# KiCad board 'akohekohe.kicad_pcb
title: 'ahkohkohe; rev: 0.1; company: grassfedreeve
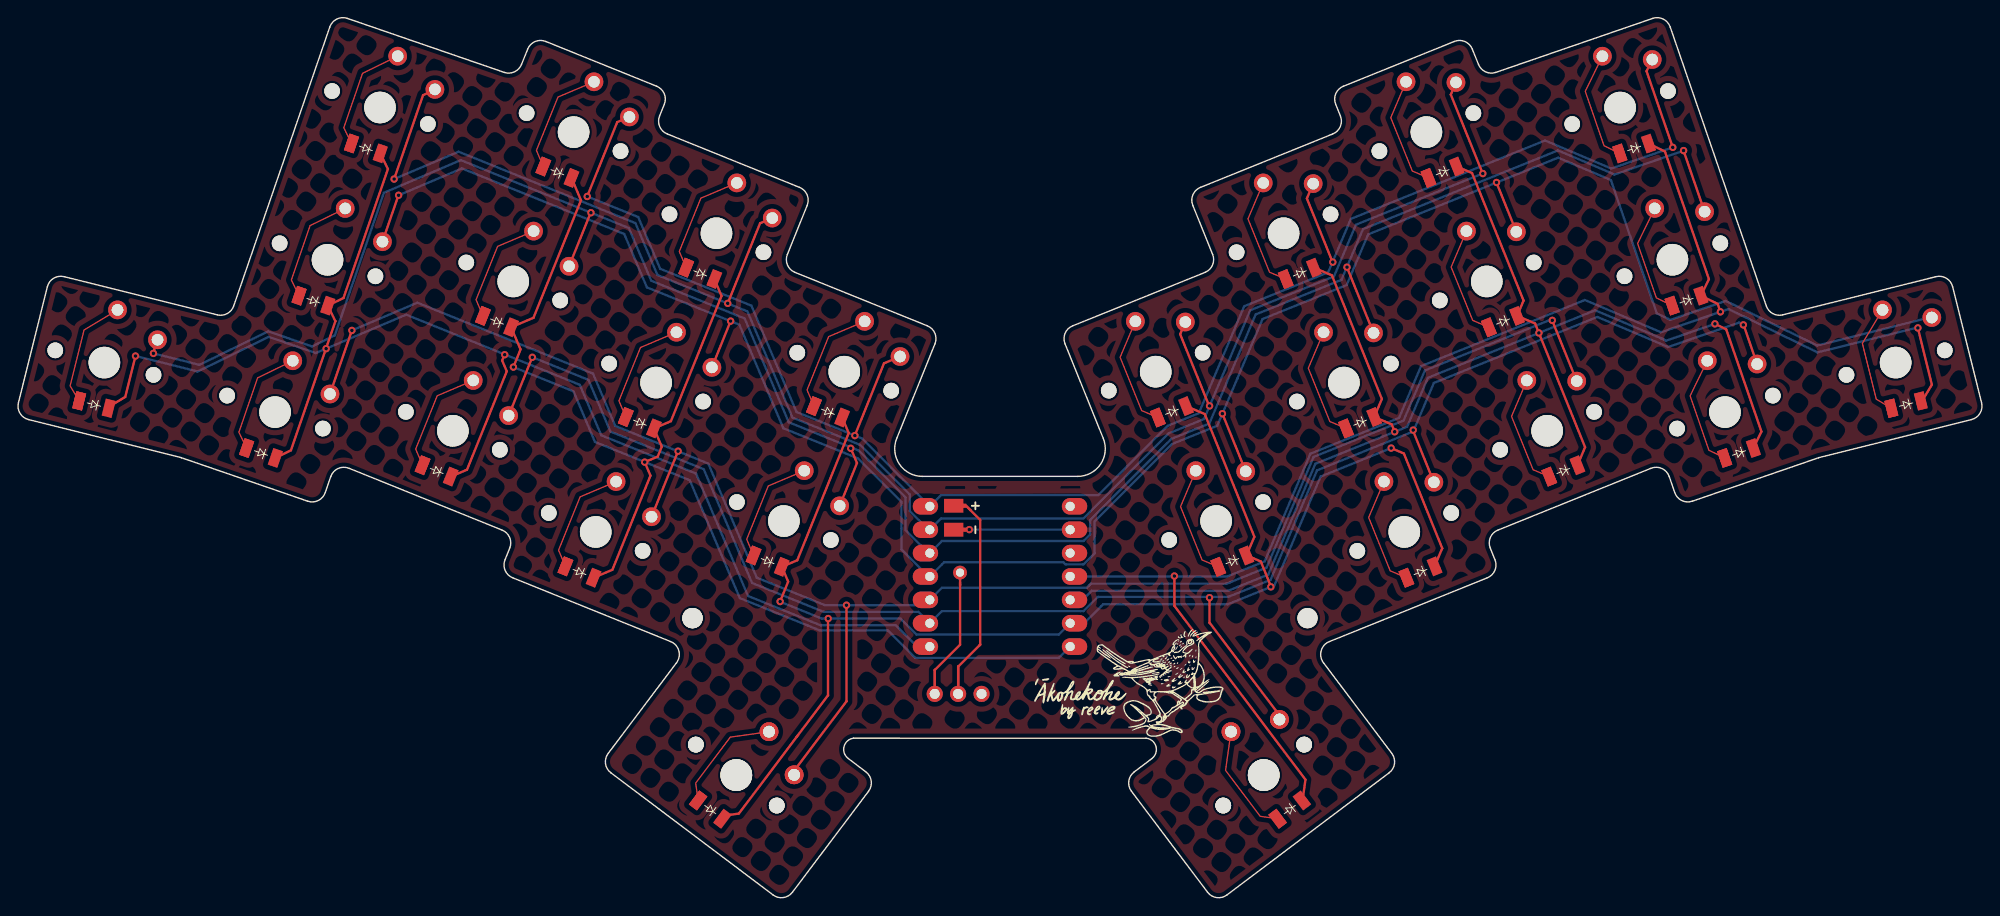
[diagram p0: board, top side]
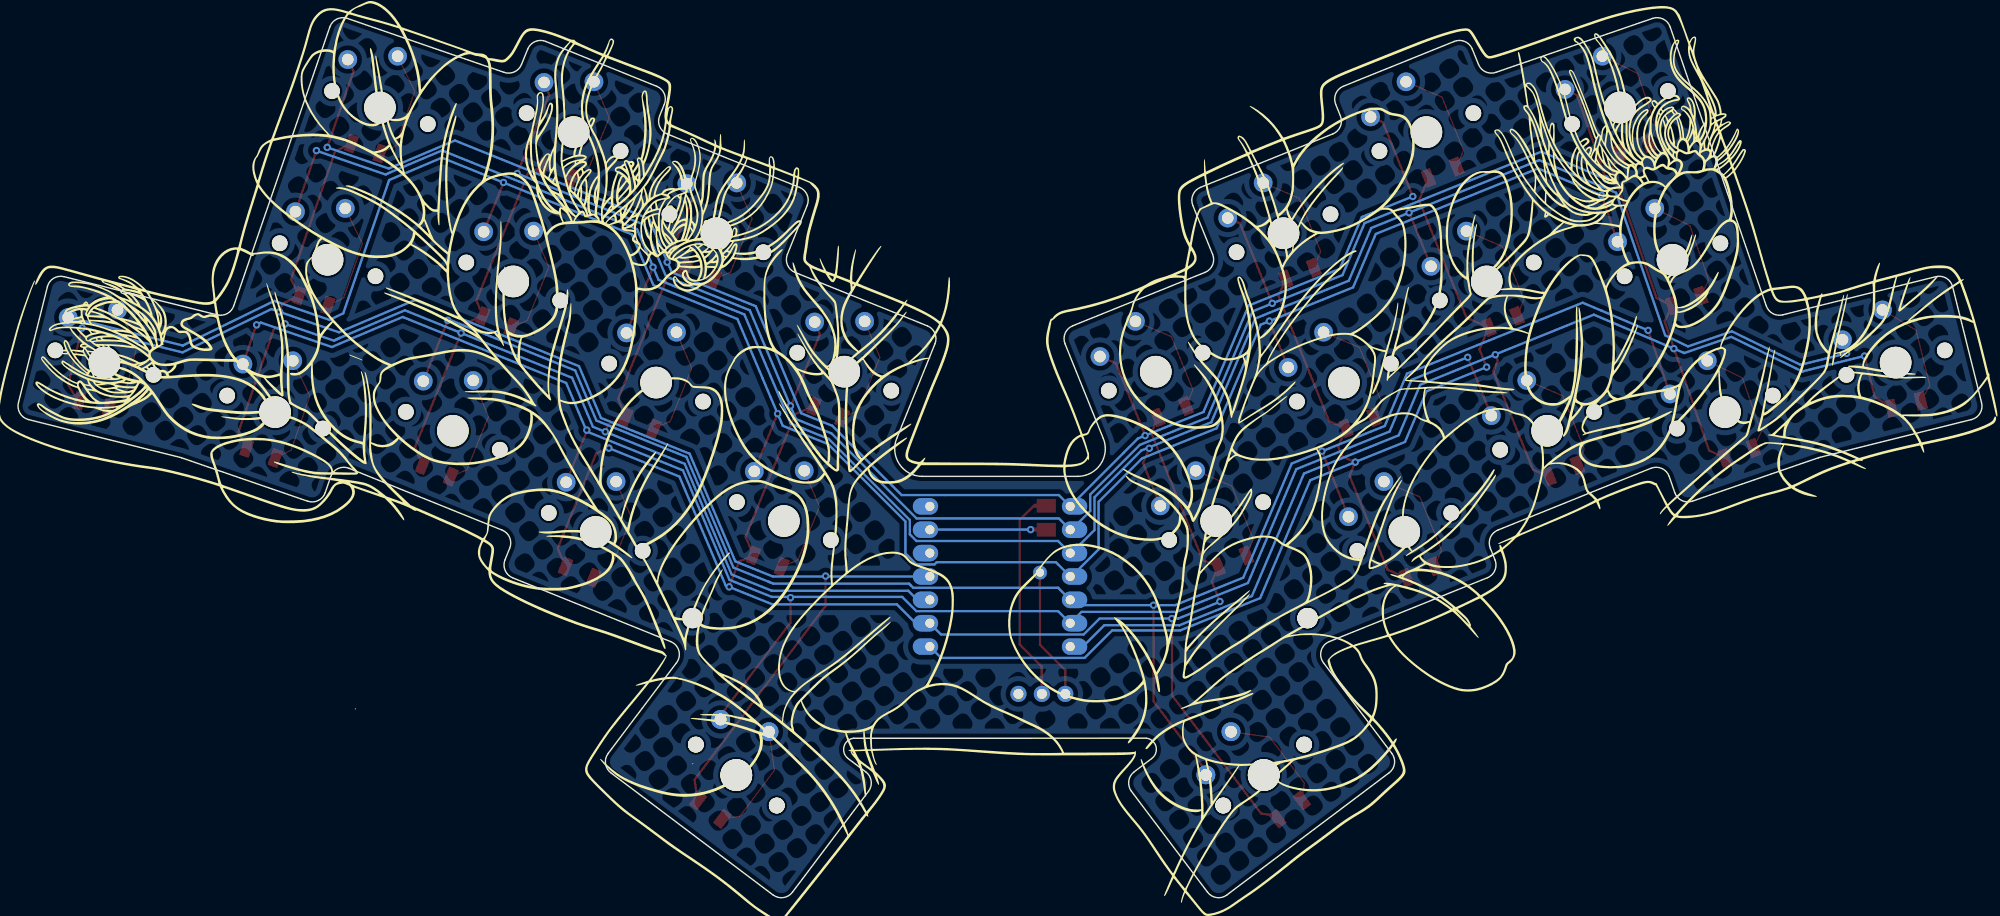
[diagram p1: board, bottom side, seen from below]

Outline 213.18 x 95.52 mm; copper layers: Top, Bottom. Coordinates in mm from the lower left corner of the outline.
Outline path: 90.12,15.11 arc(89.65,16.41) 90.69,17.32 122.5,17.31 arc(123.54,16.4) 123.07,15.1 ; 90.12,15.1 92.03,13.66 arc(92.61,12.67) 92.32,11.56 84.05,0.58 arc(83.06,0) 81.95,0.29 64.34,13.56 arc(63.75,14.55) 64.04,15.66 71.47,25.52 arc(71.72,26.82) 70.83,27.81 53.67,34.75 arc(52.85,35.55) 52.84,36.7 53.35,37.98 arc(53.34,39.12) 52.53,39.93 35.9,46.65 arc(34.71,46.62) 33.92,45.74 33.32,44 arc(32.56,43.14) 31.41,43.07 17.7,47.79 17.7,47.8 1.09,51.94 arc(0.17,52.62) 0,53.76 3.14,66.37 arc(3.83,67.29) 4.96,67.46 21.6,63.32 arc(22.68,63.45) 23.38,64.28 33.82,94.59 arc(34.58,95.45) 35.72,95.52 52.75,89.66 arc(53.86,89.71) 54.63,90.52 55.31,92.19 arc(56.11,93.01) 57.26,93.02 69.31,88.15 arc(70.13,87.35) 70.14,86.2 69.63,84.92 arc(69.64,83.78) 70.45,82.97 84.83,77.16 arc(85.65,76.36) 85.66,75.21 83.5,69.88 arc(83.51,68.73) 84.33,67.93 98.7,62.12 arc(99.52,61.32) 99.53,60.17 95.38,49.89 arc(95.67,47.09) 98.16,45.76 115.03,45.76 arc(117.51,47.09) 117.81,49.89 113.65,60.17 arc(113.66,61.32) 114.48,62.12 128.85,67.93 arc(129.67,68.73) 129.68,69.88 127.53,75.21 arc(127.54,76.36) 128.36,77.16 142.73,82.97 arc(143.55,83.78) 143.56,84.92 143.04,86.2 arc(143.05,87.35) 143.87,88.15 155.93,93.02 arc(157.07,93.01) 157.88,92.19 158.56,90.52 arc(159.32,89.71) 160.43,89.66 177.46,95.52 arc(178.61,95.45) 179.37,94.59 189.81,64.28 arc(190.51,63.45) 191.59,63.32 208.22,67.46 arc(209.36,67.29) 210.04,66.37 213.18,53.76 arc(213.01,52.62) 212.09,51.94 195.48,47.8 195.48,47.79 181.77,43.07 arc(180.63,43.14) 179.87,44 179.27,45.74 arc(178.47,46.62) 177.29,46.65 160.66,39.93 arc(159.84,39.12) 159.83,37.98 160.35,36.7 arc(160.34,35.55) 159.52,34.75 142.35,27.81 arc(141.47,26.82) 141.72,25.52 149.14,15.66 arc(149.43,14.55) 148.85,13.56 131.23,0.29 arc(130.12,0) 129.13,0.58 120.87,11.55 arc(120.58,12.66) 121.16,13.65 123.07,15.1

## Placement (name value [footprint] x y rotation side)
BT1  Battery_Cell  [BatteryPadsReversible]  101.56 41.27 270 top
D9  Val**  [HeaderJumperSimple]  100.77 22.13 0 top
G***  -  [LOGO]  108.3 43.43 0 top
G***#2  -  [LOGO]  110.05 45.51 0 top
G***#3  -  [LOGO]  107.39 49.67 180 bottom
NOREF  -  [unnamed]  102.25 35.31 0 top
PAD1  -  [MountingHole_2.2mm_M2]  73.2 30.36 338 top
PAD1#2  -  [MountingHole_2.2mm_M2]  73.2 30.36 338 top
PAD1#3  -  [MountingHole_2.2mm_M2]  139.99 30.36 338 top
S25  -  [PG1350]  77.96 13.31 323 top
S26  -  [PG1350]  135.23 13.31 37 top
SW1  SW_Push  [ChocSimpleDiode#2]  39.26 85.84 341 top
SW2  SW_Push  [ChocSimpleDiode#2]  60.29 83.17 338 top
SW3  SW_Push  [ChocSimpleDiode#2]  75.8 72.18 338 top
SW4  SW_Push  [ChocSimpleDiode#2]  89.68 57.14 338 top
SW5  SW_Push  [ChocSimpleDiode#2]  33.57 69.3 341 top
SW6  SW_Push  [ChocSimpleDiode#2]  53.73 66.94 338 top
SW7  SW_Push  [ChocSimpleDiode#2]  69.25 55.96 338 top
SW8  SW_Push  [ChocSimpleDiode#2]  83.12 40.91 338 top
SW9  SW_Push  [ChocSimpleDiode#2]  9.33 58.13 346 top
SW10  SW_Push  [ChocSimpleDiode#2]  27.87 52.75 341 top
SW11  SW_Push  [ChocSimpleDiode#2]  47.18 50.72 338 top
SW12  SW_Push  [ChocSimpleDiode#2]  62.69 39.73 338 top
SW14  SW_Push  [ChocSimpleDiode 1.5u]  77.96 13.31 323 top
SW15  SW_Push  [ChocSimpleDiode 1.5u]  135.23 13.31 37 top
SW17  SW_Push  [ChocSimpleDiode]  150.49 39.73 22 top
SW18  SW_Push  [ChocSimpleDiode]  166.01 50.72 22 top
SW19  SW_Push  [ChocSimpleDiode]  185.32 52.75 19 top
SW20  SW_Push  [ChocSimpleDiode#2]  203.85 58.13 14 top
SW21  SW_Push  [ChocSimpleDiode]  130.06 40.91 22 top
SW22  SW_Push  [ChocSimpleDiode]  143.94 55.96 22 top
SW23  SW_Push  [ChocSimpleDiode]  159.45 66.94 22 top
SW24  SW_Push  [ChocSimpleDiode]  179.61 69.3 19 top
SW25  SW_Push  [ChocSimpleDiode]  123.5 57.14 22 top
SW26  SW_Push  [ChocSimpleDiode]  137.39 72.18 22 top
SW27  SW_Push  [ChocSimpleDiode]  152.89 83.17 22 top
SW28  SW_Push  [ChocSimpleDiode]  173.93 85.84 19 top
U1  xiao  [xiao-tht]  106.59 34.89 0 top

## Library data of the parts
SW1-SW12 SW14 SW15 SW17-SW28 = -: Description: Push button switch, generic, two pins

## Footprints (pads in the part's own frame, mm; a bottom-side part is the same pattern mirrored in y, then rotated)
BatteryPadsReversible
  custom 1.5x2.435 smd: 1(-1.3,0) 2(1.3,0)
ChocSimpleDiode
  round 1.702 hole 1.702 unplated: (-5.5,0) (5.5,0)
  rect 1.1x1.9 smd: (-1.65,-4.7) 2(1.65,-4.7)
  custom 3.13x11.615 smd: (-1.65,-4.7)
  round 3.429 hole 3.429 unplated: (0,0)
  round 2.032 hole 1.27: (0,5.9) 1(5,3.8)
ChocSimpleDiode 1.5u
  round 1.702 hole 1.702 unplated: (-5.5,0) (5.5,0)
  rect 1.1x1.9 smd: (-1.65,-4.7) 2(1.65,-4.7)
  custom 3.13x11.615 smd: (-1.65,-4.7)
  round 3.429 hole 3.429 unplated: (0,0)
  round 2.032 hole 1.27: (0,5.9) 1(5,3.8)
ChocSimpleDiode#2
  round 1.702 hole 1.702 unplated: (-5.5,0) (5.5,0)
  rect 1.1x1.9 smd: (-1.65,-4.7) 2(1.65,-4.7)
  custom 3.13x11.615 smd: (-1.65,-4.7)
  round 3.429 hole 3.429 unplated: (0,0)
  round 2.032 hole 1.27: (0,5.9) 1(5,3.8)
HeaderJumperSimple
  round 1.753 hole 1.092: 1(-1.27,0) 2(1.27,0) 3(3.815,0)
MountingHole_2.2mm_M2
  round 2.2 hole 2.2 unplated: (0,0)
PG1350
  round 1.702 hole 1.702 unplated: (-5.5,0) (5.5,0)
  round 3.429 hole 3.429 unplated: (0,0)
  round 2.032 hole 1.27: 1(5,3.8) 2(0,5.9)
unnamed
  oval 1.5x1.5 hole 0.9: B+(0,0)
xiao-tht
  oval 2.75x1.8 hole 1: 1(-7.62,7.62) 2(-7.62,5.08) 3(-7.62,2.54) 4(-7.62,0) 5(-7.62,-2.54) 6(-7.62,-5.08) 7(-7.62,-7.62) 8(7.62,-7.62) 9(7.62,-5.08) 10(7.62,-2.54) 11(7.62,0) 12(7.62,2.54) 13(7.62,5.08) 14(7.62,7.62)

## Nets
GND: BT1.2 U1.13
VCC: U1.12
P0: SW2.1 SW4.1 SW26.1 SW28.1 U1.1
P1: SW1.1 SW3.1 SW25.1 SW27.1 U1.2
P2: SW6.1 SW8.1 SW9.1 SW22.1 SW24.1 U1.3
P3: SW5.1 SW7.1 SW20.1 SW21.1 SW23.1 U1.4
P4: S25.1 SW10.1 SW12.1 SW14.1 SW18.1 U1.5
P5: S26.1 SW11.1 SW15.1 SW17.1 SW19.1 U1.6
P6: SW1.2 SW5.2 SW9.2 SW10.2 SW11.2 U1.7
P7: SW2.2 SW3.2 SW6.2 SW7.2 SW12.2 U1.8
P8: S25.2 SW4.2 SW8.2 SW14.2 SW17.2 SW21.2 SW25.2 U1.9
P9: SW18.2 SW19.2 SW22.2 SW23.2 SW26.2 SW27.2 U1.10
P10: S26.2 SW15.2 SW20.2 SW24.2 SW28.2 U1.11
VUSB: U1.14

Pads without a net: BT1 1; D9 1 2 3; NOREF B+

## Via types
v1: diameter 0.8, hole 0.4, Top to Bottom, 41 vias

## Routing (per net, layer and track width the routed paths; a pad name or vN(x,y) marks a point on that pad's centre or on a via; arc(x,y) is an arc through that point)
GND: length 12.7
  Top w0.25: 103.31,39.97 103.31,39.97 103.28,39.97 v1(103.26,39.98) 103.25,39.97 BT1.2
  Bottom w0.25: v1(103.26,39.98) 114.2,39.98 U1.13
(no net): length 44
  Top w0.2: 103.37,42.1 102.91,42.57 ; 102.06,21.92 102.05,21.93
  Top w0.25: 102.26,35.3 102.26,33.94 ; 102.26,33.94 102.26,34.23 ; 102.26,33.94 102.26,27.48 99.52,24.74 ; 99.52,24.74 99.51,24.73 99.51,22.57 ; 99.52,24.74 99.5,24.72 D9.1 ; 102.05,25.1 104.35,27.39 104.44,27.49 104.44,41.03 102.91,42.57 BT1.1 ; 102.05,25.1 102.05,22.57 ; 102.05,25.1 102.04,25.09 D9.2 ; 99.52,21.92 99.53,21.93 99.53,22.51
P0: length 192.8
  Top w0.25: v1(90.83,50.2) 90.83,50.21 93.99,58.05 SW4.1 ; SW28.1 176.8,89.79 v1(179.65,81.51) ; SW2.1 65.03,84.26 61.76,76.19 v1(61.77,76.18) 61.76,76.17 ; 142.72,69.02 v1(142.73,69.05) 142.7,69.06 139.92,75.96 SW26.1
  Bottom w0.25: v1(179.65,81.51) 172.96,79.21 165.78,82.26 144.69,73.74 142.23,67.94 133.11,64.25 128.18,52.63 124.79,51.26 117.27,43.73 112.56,43.73 100.2,43.73 U1.1 98.97,42.52 93.2,48.29 93.2,48.3 91.62,49.88 v1(90.83,50.2) 84.51,52.75 84.5,52.76 79.59,64.32 69.69,68.32 67.3,73.94 v1(61.77,76.18)
P1: length 198.6
  Top w0.25: 45.23,87.81 43.94,87.18 40.8,78.07 v1(40.8,78.07) 40.8,78.07 ; 159.02,78.64 155.55,87.24 SW27.1 ; 129.32,53.37 v1(129.35,53.42) 129.29,53.45 126.15,61.21 SW25.1 ; SW3.1 80.54,73.27 77.02,64.57 v1(77.02,64.57) 77.02,64.57
  Bottom w0.25: 98.83,39.97 96.8,42 96.8,43.8 91.4,49.19 84.06,52.15 79.16,63.69 78.78,63.84 69.4,67.64 67,73.28 47.79,81.05 47.78,81.04 v1(40.8,78.07) ; 98.83,39.97 U1.2 ; 98.83,39.97 U1.2 ; U1.2 100.2,41.19 115.65,41.19 124.88,50.43 128.75,51.99 133.77,63.81 142.86,67.49 145.24,73.11 159.01,78.67 v1(159.02,78.67) 159.03,78.68
P2: length 252
  Top w0.25: 144.26,68.5 v1(144.27,68.5) 144.27,68.49 SW22.1 ; 180.81,81.17 v1(180.82,81.16) 180.82,81.16 SW24.1 ; v1(90.38,48.82) 91.06,47.22 SW8.1 ; 14.65,59.12 v1(14.66,59.13) 14.65,59.14 15.04,60.72 ; 62.16,74.44 v1(62.17,74.41) 62.14,74.4 SW6.1
  Bottom w0.25: 21.95,59 27.12,61.52 31.88,59.88 34.36,61.09 36,65.85 39.59,76.29 39.69,76.58 48.03,80.12 48.06,80.11 66.29,72.75 68.72,67.02 77.98,63.28 78.86,62.92 83.65,51.64 91.24,48.58 96.33,43.49 96.33,39.92 98.83,37.43 ; 21.95,59 21.94,59 ; 21.95,59 19.68,57.9 19.66,57.88 v1(14.66,59.13) ; U1.3 98.64,37.43 ; U1.3 100.29,38.74 115.67,38.74 116.39,39.46 116.39,41.03 125.19,49.83 128.13,51.02 ; U1.3 98.83,37.43 ; U1.3 98.83,37.43 ; U1.3 98.83,37.43 ; 128.13,51.02 129.32,51.5 134.35,63.36 143.67,67.12 146.01,72.63 167.17,81.18 173.04,78.69 173.3,78.56 180.81,81.15 v1(180.82,81.16) ; 128.13,51.02 127.82,50.9
P3: length 248.3
  Top w0.25: 41.28,76.33 v1(41.28,76.31) 41.27,76.3 SW5.1 ; v1(130.74,52.58) SW21.1 ; 75.31,57.61 v1(77.34,62.64) ; SW23.1 160.5,77.69 v1(160.51,77.7)
  Bottom w0.25: U1.4 98.83,34.89 ; U1.4 98.83,34.89 ; U1.4 100.29,36.2 100.52,36.44 113.47,36.44 113.7,36.2 115.67,36.2 116.87,37.4 116.87,40.88 125.27,49.28 130.18,51.27 v1(130.74,52.58) 130.75,52.58 132.36,56.39 132.36,56.4 135.11,62.87 144.23,66.55 146.57,72.06 160.5,77.69 v1(160.51,77.7) 160.52,77.7 167.2,80.39 172.92,77.96 172.96,77.86 173.08,77.53 177.91,63.48 179.39,62.76 185.39,64.83 195.34,59.98 195.34,59.99 207.99,63.14 ; 98.83,34.89 95.88,37.83 95.88,43.01 91.17,47.72 83.07,50.99 78.29,62.24 73.82,64.05 68.25,66.3 65.89,71.86 65.79,72.1 48.16,79.22 v1(41.28,76.31)
P4: length 204.1
  Top w0.25: SW10.1 36.21,61.62 v1(36.21,61.62) 36.21,61.63 ; v1(89.92,31.77) 89.92,21.33 89.92,21.33 84.12,13.63 ; SW18.1 166.56,62.7 v1(166.57,62.72) 166.58,62.69 166.57,62.68 ; SW12.1 71.63,48.5 v1(71.63,48.5) 71.63,48.51
  Bottom w0.25: 116.25,33.89 116.4,34.04 ; 116.25,33.89 116.02,33.66 100.29,33.66 U1.5 ; 116.25,33.89 116.47,34.11 131.2,34.11 ; v1(89.92,31.77) 87.58,31.77 80.18,34.76 79.76,35.74 74.92,47.16 64.81,51.24 62.4,56.93 43.32,64.64 41.25,63.76 41.24,63.76 v1(36.21,61.62) ; v1(89.92,31.77) 98.39,31.77 U1.5 ; v1(89.92,31.77) 89.97,31.82 ; 98.44,31.82 U1.5 ; 131.2,34.11 131.2,34.1 ; 131.2,34.11 131.72,34.32 ; 131.72,34.32 135.54,35.86 140.65,47.88 150.42,51.83 152.73,57.27 166.69,62.91 ; 131.72,34.32 131.55,34.25
P5: length 195.4
  Top w0.25: 129.33,32.63 129.33,32.61 v1(129.34,32.59) 129.34,29.87 129.37,29.84 137.05,19.66 ; SW17.1 151.44,50.74 v1(151.46,50.79) 151.41,50.82 151.37,50.9 ; 187.33,62.26 v1(187.31,62.23) 187.35,62.21 SW19.1 ; 55.8,58.71 v1(55.8,58.7) 55.8,58.7 SW11.1
  Bottom w0.25: 187.37,62.23 186.86,62.48 179.13,59.82 178.92,59.92 171.45,63.09 153.7,55.91 151.46,50.64 141.02,46.42 135.97,34.53 131.37,32.67 117.21,32.67 115.67,31.12 115.33,31.12 100.29,31.12 U1.6 97.73,31.04 87.43,31.04 79.67,34.18 74.42,46.54 64.28,50.64 61.9,56.25 58.57,57.6 55.82,58.71 v1(55.8,58.7)
P6: length 164.3
  Top w0.25: v1(12.71,58.84) 11.6,54.4 9.74,53.28 ; SW1.2 40.13,79.16 35.3,65.15 SW5.2 34.42,62.62 29.59,48.59 SW10.2 ; 52.79,59.01 v1(52.81,58.99) 52.78,58.98 52.53,58.36 53.03,57.18 48.71,46.49 SW11.2
  Bottom w0.25: 12.63,58.87 19.32,57.2 19.44,57.17 19.45,57.16 20.1,57.47 27.18,60.92 32.29,59.17 32.36,59.2 v1(33.41,59.64) 42.1,63.34 60.96,55.72 63.29,50.23 73.59,46.07 79.23,32.77 86.12,29.99 87.11,29.59 87.12,29.59 95.27,29.59 97.59,27.27 U1.7
P7: length 138.4
  Top w0.25: SW3.2 76.35,65.37 70.86,51.76 SW7.2 69.86,48.99 69.42,47.92 v1(68.01,47.32) 68.63,45.85 64.5,35.62 SW12.2 ; v1(53.75,57.64) 54.52,59.56 SW6.2 55.93,63 61.09,75.76 SW2.2
  Bottom w0.25: 53.76,57.64 v1(53.75,57.64) 60.28,55 62.61,49.51 72.9,45.35 78.34,32.54 85.7,29.56 87.02,29.03 87.02,29.03 94.4,29.03 97.39,26.04 112.99,26.04 U1.8
P8: length 167.8
  Top w0.25: 154.03,36.56 SW17.2 154.61,37.95 150.45,48.25 v1(149.07,48.84) ; SW25.2 128.83,52.54 134.22,39.21 SW21.2 133.36,37.18 134.91,36.52 136.02,33.79 v1(136,33.76) ; v1(82.71,32.17) 83.59,34.33 82.91,35.93 SW8.2 84.58,36.65 90.16,50.48 SW4.2 ; 84.52,17.46 84.67,17.66 ; 84.52,17.46 87.92,21.98 87.91,21.99 87.91,30.3 v1(87.93,30.32) 87.94,30.31 87.94,30.03 ; 84.52,17.46 78.23,9.13 76.33,8.86
  Bottom w0.25: v1(82.71,32.17) 82.73,32.14 86.79,30.49 87.23,30.32 87.23,30.32 95.78,30.32 97.51,28.58 112.99,28.58 U1.9 ; U1.9 115.73,29.81 117.6,31.68 117.79,31.87 131.32,31.87 131.32,31.87 v1(136,33.76) 136.38,33.91 141.41,45.75 149.06,48.84 v1(149.07,48.84) ; U1.9 114.22,29.8 ; U1.9 115.51,29.81 ; U1.9 114.65,29.81
P9: length 162.6
  Top w0.25: SW27.2 157.85,78.73 163.45,64.87 SW23.2 164.7,62.37 v1(165.11,61.35) 170.13,48.93 SW18.2 ; 188.68,49.4 SW19.2 189.28,50.63 185.45,61.74 v1(184.23,62.34) 184.22,62.34 184.2,62.42 184.11,62.46 ; SW26.2 142.63,67.61 148.06,54.17 SW22.2 149.13,51.41 v1(149.46,50.61) 149.32,50.95
  Bottom w0.25: 178.27,60.82 178.5,60.72 178.78,60.58 ; 178.27,60.82 171.21,63.81 164.16,60.96 153.06,56.48 150.8,51.16 140.83,47.13 135.73,35.1 132.43,33.77 131.38,33.34 131.38,33.34 116.55,33.34 115.57,32.35 U1.10 115.58,32.35 ; 178.27,60.82 178.91,60.51 v1(184.23,62.34)
P10: length 167.4
  Top w0.25: v1(184.82,63.64) 184.53,64.51 SW24.2 183.58,67.19 178.8,81.06 SW28.2 ; 125.52,34.93 v1(125.53,34.94) ; v1(125.53,34.94) 125.53,31.69 125.57,31.65 139.76,12.81 139.49,10.85 ; v1(125.53,34.94) 125.52,34.94 ; 206.25,61.87 v1(206.27,61.89) 207.78,55.72 206.8,54.08
  Bottom w0.25: U1.11 131.26,34.89 135.34,36.53 140.3,48.23 149.92,52.12 152.31,57.74 169.91,64.85 170.1,64.93 178.37,61.42 v1(184.82,63.64) 185.7,63.95 195.36,59.24 206.3,61.96 206.3,61.96

## Copper pours and planes (outline as drawn; the poured copper is in the pictures)
GND on Top, Bottom: 92.98,16.03 105.11,16.2 120.74,16.05 115.98,13.13 128.14,-4.39 142.06,5.21 153.54,15.55 144.83,26.8 164.25,35.87 162.65,39.67 176.05,44.87 178.15,40.67 196.85,47.17 217.15,51.87 212.55,70.97 192.45,66.27 181.55,99.67 161.75,93.07 160.05,97.47 137.95,88.87 139.55,84.67 123.25,77.87 126.05,69.47 109.15,62.37 116.25,47.61 97.22,47.55 103.95,63.17 87.25,69.47 90.15,77.97 72.95,84.27 74.65,89.17 53.45,96.97 51.65,92.77 31.65,99.37 20.85,66.67 0.45,70.97 -4.55,51.37 15.95,46.47 35.15,39.97 36.95,43.87 50.15,39.37 49.25,34.87 68.65,26.81 59.05,14.66 71.51,4.77 84.05,-4.39 96.99,12.66
